# Allegro board C000PD020-3399PRO-DMEB-A-A01.brd (continued)
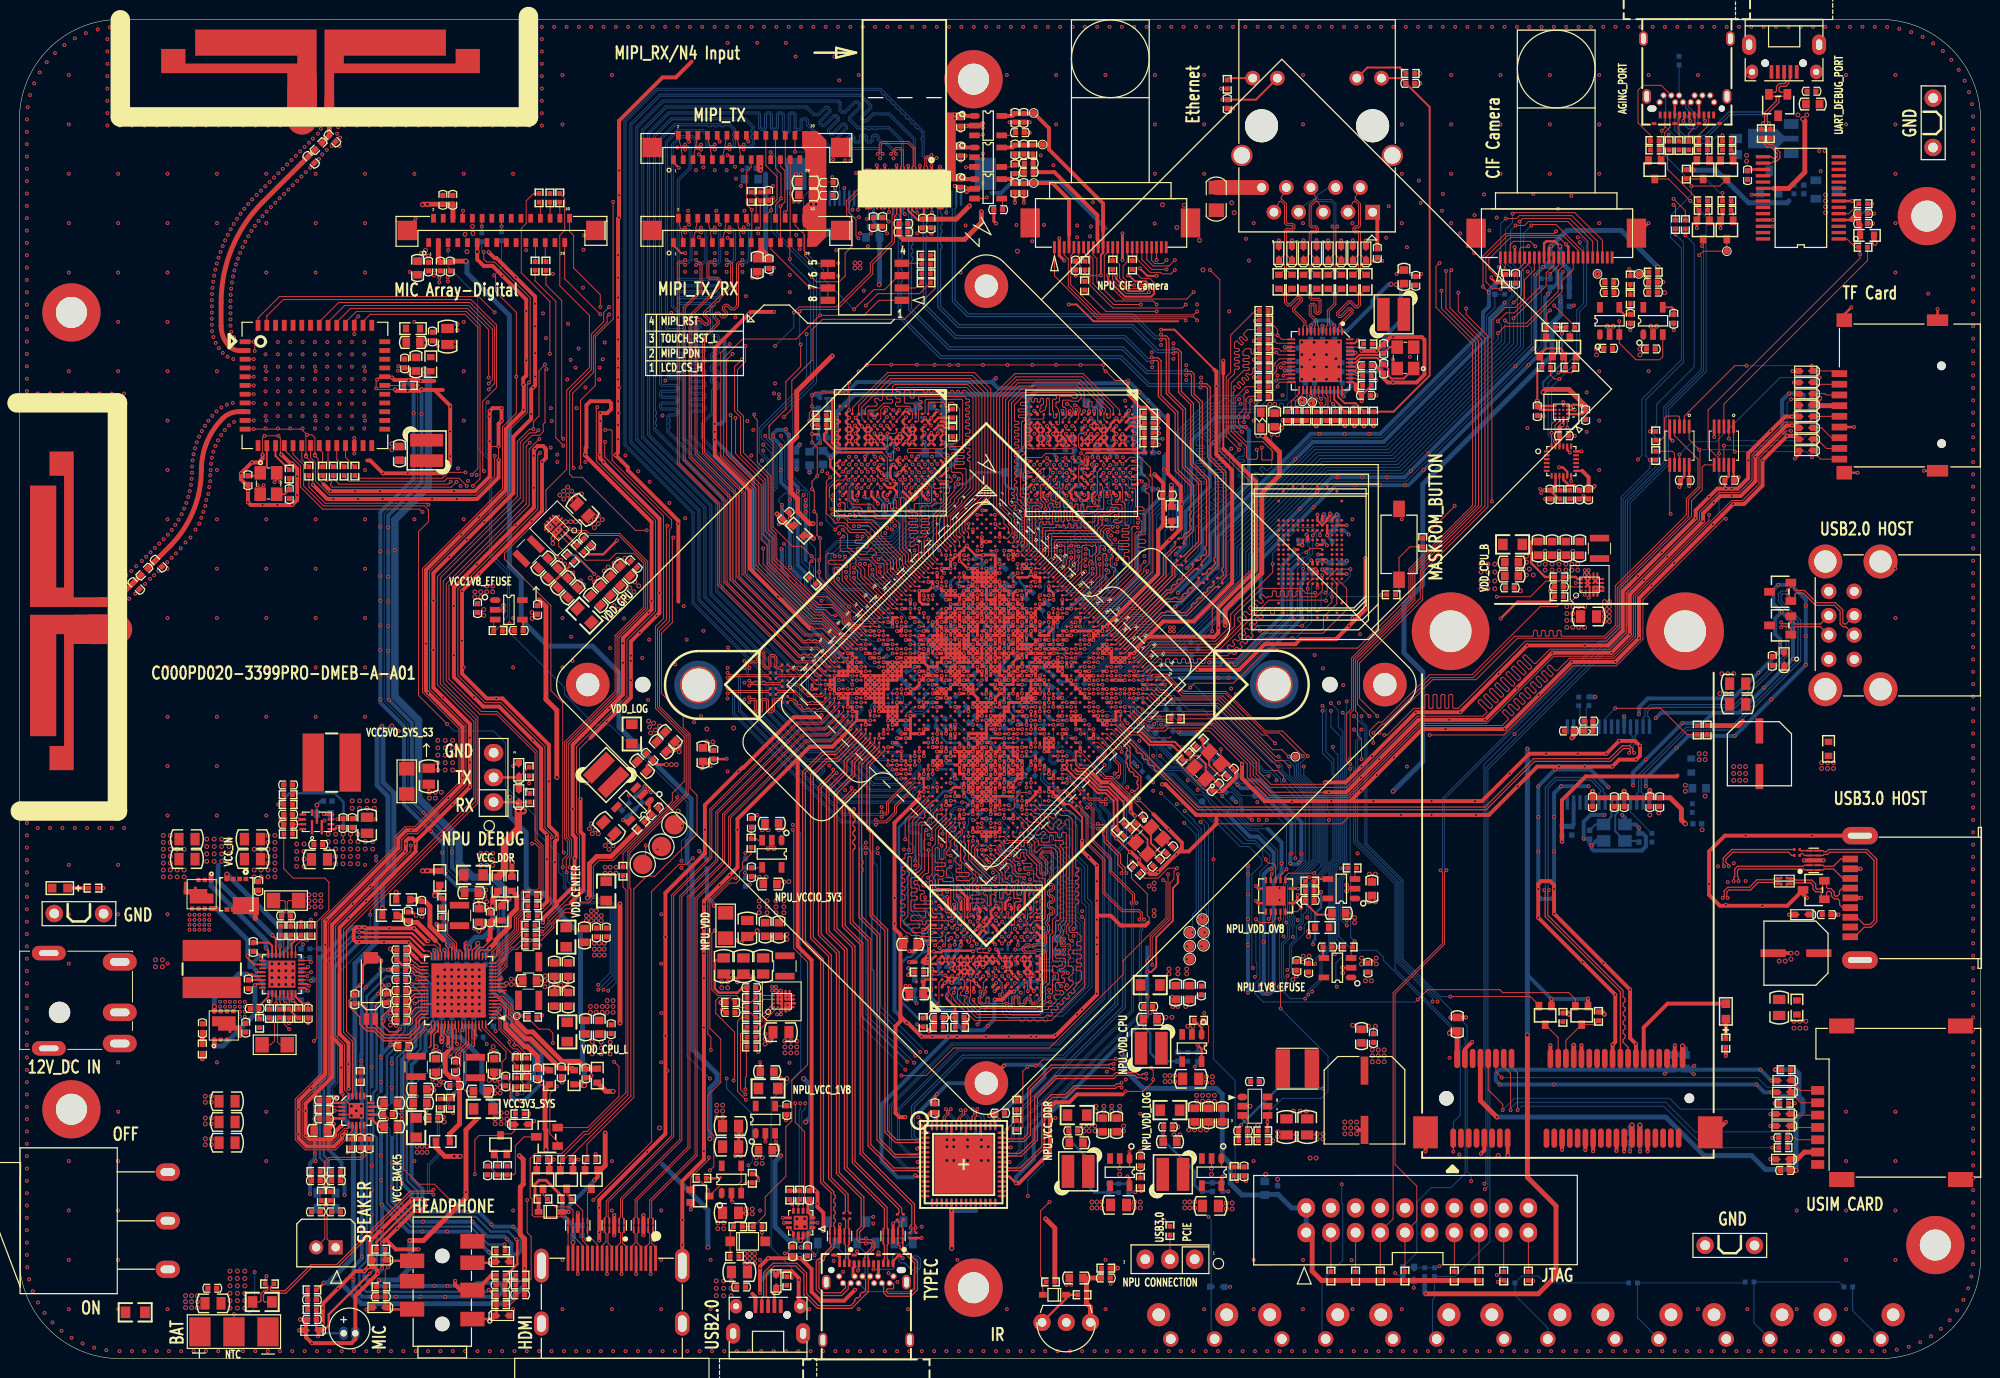
[diagram p0: board, top side]
## Routing (per net, layer and track width the routed paths; a pad name or vN(x,y) marks a point on that pad's centre or on a via; arc(x,y) is an arc through that point) (continued)
  BOTTOM w0.102: v1(70.14,115.88) 70.29,116.03 70.41,116.03 70.54,115.9 70.54,113.04 70.33,112.84 69.81,112.84 69.62,113.03 v1(69.62,113.04)
MIPI_TX1/RX1_D2P: length 57.6
  TOP w0.102: v1(69.62,112.53) 69.72,112.63 69.93,112.63 70.03,112.53 70.03,109.92 68.3,108.2 68.3,92.41 72.5,88.21 72.5,79.88 80.2,72.18 81.94,72.18 83.38,70.73 83.86,70.73 ; J5101.6 69.59,116.29 69.67,116.17 69.81,116.14 69.9,116.14 69.99,116.23 70.14,116.38 v1(70.14,116.38)
  BOTTOM w0.102: v1(70.14,116.38) 70.29,116.23 70.49,116.23 70.74,115.99 70.74,112.96 70.42,112.63 69.72,112.63 v1(69.62,112.53)
MIPI_TX1/RX1_D3N: length 56.3
  TOP w0.102: v1(68.5,112.54) 68.31,112.74 68,112.74 67.89,112.63 67.89,92.19 72.06,88.02 72.06,79.69 79.96,71.79 81.69,71.79 82.75,70.73 82.95,70.73 ; v1(68.5,116.39) 68.35,116.24 68.27,116.24 68.13,116.21 68.01,116.29 J5101.2
  BOTTOM w0.102: v1(68.5,116.39) 68.65,116.24 68.89,116.24 69.22,115.92 69.22,113.06 68.87,112.72 68.67,112.72 68.5,112.55 v1(68.5,112.54)
MIPI_TX1/RX1_D3P: length 56.8
  TOP w0.102: v1(68.5,113.04) 68.49,113.04 68.39,112.94 67.91,112.94 67.69,112.72 67.69,92.1 71.85,87.94 71.85,79.61 79.88,71.59 81.61,71.59 82.93,70.27 U1000.AU2 ; J5101.3 68.09,115.89 68.17,116.01 68.29,116.03 68.36,116.03 v1(68.5,115.89)
  BOTTOM w0.102: v1(68.5,113.04) 68.63,112.92 68.79,112.92 69.01,113.14 69.01,115.83 68.81,116.03 68.65,116.03 v1(68.5,115.89)
MPU_AD0: length 2.5
  TOP w0.102: U9000.9 158.47,89.42 R9005.2 R9004.1
N4_PDN/PWREN: length 63
  TOP w0.102: U1000.AJ3 v1(87.1,73.49) ; J4600.14 88.66,121.41 88.32,121.07 87.05,121.07 85.12,119.14 85.12,117.71 85.73,117.1 85.73,114.52 84.96,113.75 84.96,111.42 84.35,110.81 82.02,110.81 v1(81.51,111.31)
  BOTTOM w0.102: v1(87.1,73.49) 86.26,74.33 84.96,74.33 81.71,77.58 81.41,77.58 77.95,81.04 77.95,84.39 77.44,84.9 77.44,89.06 77.95,89.57 77.95,93.84 77.14,94.65 77.14,95.97 81.71,100.54 81.71,111.11 v1(81.51,111.31)
N4_RST_1V8: length 154.7
  TOP w0.102: v1(86.33,115.28) 86.08,115.53 86.08,117.21 85.37,117.92 85.37,118.98 87.25,120.86 88.42,120.86 88.7,121.14 89.31,121.14 89.46,121.3 J4600.12 ; U1000.J37 v1(112.82,67.05) ; v1(148.06,109.69) 148.06,107.76 150.8,105.01 150.8,87.74 144.15,81.09 144.15,78.24 137.69,71.79 137.69,67.32 v1(138.91,66.1)
  S1 w0.089: 114.27,66.25 114.12,66.41 113.93,66.41 113.28,67.05 v1(112.82,67.05)
  S1 w0.102: 114.27,66.25 117.5,63.03 122.62,63.03 124.98,65.39 136.92,65.39 137.02,65.49 138.3,65.49 v1(138.91,66.1) ; v1(86.33,115.28) 103.15,115.28 107.37,111.06 124.94,111.06 126.42,109.59 143.38,109.59 144.15,110.35 147.4,110.35 v1(148.06,109.69)
NPU_CIF_CLKI: length 1.4
  TOP w0.102: R4800.2 114.53,114.34 J4800.17
NPU_CIF_CLKIN: length 76.8
  TOP w0.102: v1(117.02,110.45) 116.31,111.16 115.45,111.16 R4800.1
  TOP w0.203: U1000.W29 v1(104.09,66.59)
  POWER2 w0.089: 112.65,63.41 110.21,63.41 109.86,63.76 109.86,64.58 109.52,64.91 109.4,64.91 109.09,65.22 108.5,65.22 108.23,64.95 108.23,64.68 107.47,63.92 107.21,63.92 105.74,65.39 105.74,65.76 105.23,66.27 104.87,66.27 104.55,66.59 v1(104.09,66.59)
  POWER2 w0.102: 112.65,63.41 114.73,63.41 114.94,63.21 119.46,63.21 126.92,70.67 126.92,77.43 126.82,77.54 124.18,80.18 124.18,90.1 121.44,92.84 121.44,97.24 117.88,100.8 117.88,109.59 v1(117.02,110.45)
NPU_CIF_CLKO: length 1.4
  TOP w0.102: R4801.2 112.5,114.36 J4800.13
NPU_CIF_CLKOUT: length 73.2
  TOP w0.102: R4801.1 112.5,111.01 113.92,109.59 116.05,109.59 v1(116.21,109.74)
  TOP w0.203: U1000.U28 v1(105.01,67.51)
  POWER2 w0.089: v1(105.01,67.51) 105.47,67.51 106.37,66.61 108.21,66.61 108.57,66.25 108.8,66.25 109.11,66.56 109.35,66.56 109.53,66.37 110.01,66.37 111.85,64.53 113.77,64.53
  POWER2 w0.102: v1(116.21,109.74) 116.31,109.64 116.31,107.5 115.95,107.15 115.95,101.01 120.22,96.74 120.22,92.34 122.96,89.6 122.96,79.67 125.7,76.93 125.7,71.84 119.91,66.05 119.15,66.05 117.63,64.53 113.77,64.53
NPU_CIF_D2: length 86.1
  TOP w0.102: v1(118.03,112.08) 116.51,112.08 115.5,113.08 J4800.19
  TOP w0.203: U1000.W30 v1(104.09,65.68)
  POWER2 w0.089: v1(104.09,65.68) 104.55,65.68 105.14,65.08 105.33,65.08 107,63.41 107.21,63.41 107.21,63.41 107.61,63.41 108.93,62.09 109.3,62.09 109.96,62.75 111.99,62.75
  POWER2 w0.102: v1(118.03,112.08) 118.03,111.62 119.15,110.5 119.15,100.54 122.15,97.54 122.15,93.16 124.89,90.42 124.89,80.47 128.3,77.07 128.3,73.81 131.55,70.56 131.55,68.61 129.8,66.86 124.62,66.86 120.36,62.6 114.66,62.6 113.95,61.89 113.12,61.89 112.26,62.75 111.99,62.75
NPU_CIF_D3: length 84.5
  TOP w0.102: v1(118.03,113.04) 117.68,112.69 116.81,112.69 116.5,113 J4800.21
  TOP w0.203: U1000.V30 v1(105.01,65.68)
  POWER2 w0.089: v1(105.01,65.68) 105.01,65.65 107.07,63.58 107.94,63.58 108.12,63.75 108.24,63.75 108.29,63.7 108.36,63.7 108.55,63.51 108.55,63.45 108.75,63.24 108.82,63.24 109.06,63 112.24,63
  POWER2 w0.102: 112.24,63 112.29,63 113.21,62.09 113.87,62.09 114.58,62.8 120.27,62.8 124.54,67.07 129.72,67.07 131.34,68.69 131.34,70.47 128.09,73.72 128.09,76.99 124.69,80.39 124.69,90.33 121.95,93.08 121.95,97.45 118.39,101.01 118.39,110.7 117.68,111.42 117.68,112.69 v1(118.03,113.04)
NPU_CIF_D4: length 69.6
  TOP w0.102: v1(117,113.04) J4800.22
  TOP w0.203: U1000.P29 v1(106.39,67.97)
  POWER2 w0.089: 115.45,66.21 113.73,66.21 113.51,66 113.17,66 111.26,67.91 110.46,67.91 110.14,67.59 109.79,67.59 109.04,68.34 106.75,68.34 v1(106.39,67.97)
  POWER2 w0.102: v1(117,113.04) 117,112.67 115.04,110.7 115.04,100.58 119.3,96.31 119.3,91.96 122.05,89.22 122.05,79.29 124.79,76.55 124.79,72.57 119.13,66.91 117.48,66.91 116.97,66.41 116.1,66.41 115.91,66.21 115.45,66.21
NPU_CIF_D5: length 87.9
  TOP w0.102: v1(118.9,113.04) 118.29,112.43 116.66,112.43 116,113.09 J4800.20
  TOP w0.203: U1000.Y30 v1(104.09,64.76)
  POWER2 w0.089: 111.79,62.55 110,62.55 109.37,61.92 108.86,61.92 107.53,63.24 106.93,63.24 106.58,62.9 106.4,62.9 104.55,64.76 v1(104.09,64.76)
  POWER2 w0.102: 111.79,62.55 111.9,62.55 111.9,62.55 112.18,62.55 113.04,61.68 114.04,61.68 114.75,62.39 120.44,62.39 124.71,66.66 129.89,66.66 131.75,68.52 131.75,70.64 128.5,73.89 128.5,77.15 125.1,80.56 125.1,90.5 122.35,93.24 122.35,97.62 119.41,100.57 119.41,110.81 118.54,111.67 118.54,112.69 v1(118.9,113.04)
NPU_CIF_D6: length 89.2
  TOP w0.102: J4800.18 115,113.13 116.36,111.77 117.42,111.77 117.58,111.62 118.49,111.62 v1(118.9,112.02)
  TOP w0.203: U1000.AB29 v1(103.17,64.76)
  POWER2 w0.089: v1(103.17,64.76) 103.63,64.76 103.76,64.62 104.22,64.17 104.89,64.17 106.33,62.73 106.65,62.73 107,63.07 107.45,63.07 108.77,61.75 109.44,61.75 110.03,62.34 111.58,62.34
  POWER2 w0.102: v1(118.9,112.02) 119.66,111.26 119.66,100.6 122.56,97.71 122.56,93.33 125.3,90.59 125.3,80.64 128.7,77.24 128.7,73.98 131.95,70.73 131.95,68.44 129.97,66.46 124.79,66.46 119.81,61.48 112.96,61.48 112.09,62.34 111.58,62.34
NPU_CIF_D7: length 69.6
  TOP w0.102: v1(114.68,110.45) 114.38,110.45 113.56,111.26 113.56,112.43 114,112.87 J4800.16
  TOP w0.203: U1000.P28 v1(105.93,68.43)
  POWER2 w0.089: v1(105.93,68.43) 106.06,68.57 109.28,68.57 109.47,68.76 109.47,68.76 109.5,68.79 109.7,68.79 110.41,68.08 111.33,68.08 113.21,66.2 113.41,66.2 113.63,66.42 115.66,66.42
  POWER2 w0.102: 115.66,66.42 115.76,66.42 116,66.66 116.71,66.66 117.17,67.12 119.05,67.12 124.59,72.65 124.59,76.46 121.84,79.21 121.84,89.13 119.1,91.87 119.1,96.23 114.83,100.49 114.83,110.3 v1(114.68,110.45)
NPU_CIF_D8: length 73.3
  TOP w0.102: J4800.14 113,112.79 113.2,112.59 113.2,111.16 114.27,110.09 115.09,110.09 v1(115.44,110.45)
  TOP w0.203: U1000.R29 v1(105.93,67.51)
  POWER2 w0.089: v1(105.93,67.51) 106.02,67.42 107.4,67.42 107.65,67.17 107.88,67.17 107.9,67.19 108.09,67.38 108.36,67.38 108.57,67.17 109.35,67.17 109.8,66.71 110.18,66.71 110.21,66.74 110.21,66.74 110.43,66.97 110.61,66.97 110.91,66.67 111.06,66.67 111.31,66.92 111.78,66.92 113.1,65.59 113.72,65.59 113.87,65.75 114.99,65.75
  POWER2 w0.102: 114.99,65.75 115.04,65.75 115.85,64.93 116.92,64.93 117.12,65.14 117.12,65.54 118.09,66.51 119.3,66.51 125.2,72.4 125.2,76.72 122.45,79.46 122.45,89.38 119.71,92.13 119.71,96.48 115.44,100.75 115.44,107.57 115.75,107.87 115.75,108.67 115.44,108.98 v1(115.44,110.45)
NPU_CIF_D9: length 97.2
  TOP w0.102: J4800.12 112,113.87 111.63,113.5 111.63,110.96 113.56,109.03 120.12,109.03 v1(120.83,109.74)
  TOP w0.203: U1000.AD29 v1(102.25,63.84)
  POWER2 w0.089: 108.79,59.55 108.43,59.55 107.72,60.26 106.81,60.26 104.67,62.39 104.15,62.39 103.24,63.31 102.69,63.31 102.25,63.75 v1(102.25,63.84)
  POWER2 w0.102: 108.79,59.55 111.33,59.55 112.4,60.62 113.56,60.62 114.02,60.16 119.64,60.16 125.13,65.64 130.31,65.64 132.77,68.1 132.77,71.06 129.51,74.31 129.51,77.58 126.11,80.98 126.11,90.92 123.93,93.11 123.93,97.78 122.35,99.36 122.35,101.58 120.83,103.1 v1(120.83,109.74)
NPU_CIF_DVDD: length 13.7
  TOP w0.305: J4800.10 111,115.09 110.92,115.17
  TOP w0.406: 110.92,115.17 110.92,117.66 106.5,122.08 C4810.1 C4811.1 104.31,123.93 R4804.2
NPU_CIF_HREF: length 79
  TOP w0.102: J4800.9 110.46,114.32 110.46,113.6 110.87,113.19 110.87,110.72 112.77,108.82 116.66,108.82 v1(117.02,108.47)
  TOP w0.203: U1000.U29 v1(105.01,66.6)
  POWER2 w0.089: 113.16,63.92 110.9,63.92 109.74,65.08 109.47,65.08 109.16,65.39 108.43,65.39 108.18,65.14 107.69,65.14 107.38,64.83 107.23,64.83 106.01,66.05 105.69,66.05 105.14,66.6 v1(105.01,66.6)
  POWER2 w0.102: 113.16,63.92 117.88,63.92 119.41,65.44 120.62,65.44 125.6,70.42 125.6,70.44 126.42,71.25 126.42,77.22 123.67,79.97 123.67,89.89 120.93,92.63 120.93,97.03 117.16,100.8 117.16,104.06 116.71,104.51 116.71,106.35 117.37,107.01 117.37,108.12 v1(117.02,108.47)
NPU_CIF_PDN0: length 74.3
  TOP w0.102: J4800.8 110,113.66 110.46,113.19 110.46,110.6 112.6,108.47 v1(115.39,108.47)
  TOP w0.203: U1000.R28 v1(105.47,67.97)
  POWER2 w0.089: v1(105.47,67.97) 105.93,67.97 106.28,67.63 107.42,67.63 107.72,67.93 109.09,67.93 109.6,67.42 110.16,67.42 110.39,67.19 110.66,67.19 110.89,67.42 111.51,67.42 113.12,65.81 113.65,65.81 113.79,65.95 115.19,65.95
  POWER2 w0.102: v1(115.39,108.47) 115.39,108.02 115.24,107.86 115.24,100.66 119.51,96.39 119.51,92.04 122.25,89.3 122.25,79.38 124.99,76.63 124.99,72.49 119.22,66.71 117.68,66.71 116.51,65.54 115.95,65.54 115.54,65.95 115.19,65.95
NPU_CIF_PDN1: length 97.4
  TOP w0.102: v1(120.02,106.84) 119.86,107 110.92,107 106.5,111.42 J4800.1
  TOP w0.203: U1000.AC28 v1(102.25,64.76)
  POWER2 w0.089: 111.38,62.14 110.21,62.14 109.65,61.58 108.69,61.58 107.36,62.9 107.07,62.9 106.72,62.56 106.26,62.56 104.91,63.92 103.55,63.92 102.71,64.76 v1(102.25,64.76)
  POWER2 w0.102: 111.38,62.14 112.01,62.14 112.87,61.28 119.9,61.28 124.88,66.25 130.06,66.25 132.16,68.35 132.16,70.81 128.91,74.06 128.91,77.32 125.5,80.73 125.5,90.67 123.32,92.85 123.32,97.23 120.57,99.98 120.57,102.47 120.02,103.03 v1(120.02,106.84)
NPU_CIF_PWREN_H: length 123.8
  TOP w0.102: v1(99.14,125.94) 99.07,125.87 U4800.3 ; U4801.3 99.42,119.37 v1(99.54,119.49) ; U4817.3 98.24,122.59 v1(97.4,122.59)
  TOP w0.203: U1000.AD28 v1(101.79,64.3)
  POWER2 w0.089: 108.99,59.75 108.64,59.75 107.63,60.76 107.63,60.76 107.44,60.95 107.44,60.95 107.42,60.97 106.49,60.97 103.95,63.51 103.03,63.51 102.25,64.3 v1(101.79,64.3)
  POWER2 w0.102: 108.99,59.75 111.23,59.75 112.29,60.82 113.72,60.82 114.17,60.36 119.56,60.36 125.05,65.85 130.22,65.85 132.56,68.19 132.56,70.98 129.31,74.23 129.31,77.49 125.91,80.89 125.91,90.84 123.72,93.02 123.72,97.7 122.15,99.27 122.15,101.49 120.62,103.02 120.62,108.88 120.47,109.03 120.47,111.97 118.9,113.55 101.98,113.55 99.54,115.99 v1(99.54,119.49) 99.54,122.54 ; 99.54,122.54 99.54,125.54 v1(99.14,125.94) ; 99.54,122.54 99.49,122.59 v1(97.4,122.59)
NPU_CIF_RST: length 75.9
  TOP w0.102: v1(117.02,107.76) 111.79,107.76 R4811.2
  TOP w0.203: U1000.V28 v1(104.55,67.05)
  POWER2 w0.089: 113.36,64.12 111.68,64.12 109.8,66 109.47,66 109.06,65.59 108.33,65.59 108.08,65.34 107.64,65.34 106.73,66.25 105.81,66.25 105.01,67.05 v1(104.55,67.05)
  POWER2 w0.102: 113.36,64.12 117.8,64.12 119.32,65.64 120.52,65.64 126.21,71.33 126.21,77.14 123.47,79.88 123.47,89.81 120.73,92.55 120.73,96.95 116.92,100.76 116.92,104 116.51,104.4 116.51,106.64 117.07,107.2 117.07,107.71 v1(117.02,107.76)
NPU_CIF_RST_L: length 5
  TOP w0.102: C4802.1 109,113.25 J4800.6 ; C4802.1 109.14,112.47 109.14,111.31 R4811.1 ; C4802.1 R4802.2
NPU_CIF_VSYNC: length 95.6
  TOP w0.102: v1(120.02,108.47) 119.66,108.11 112.5,108.11 110.16,110.45 110.16,113.19 109.5,113.85 J4800.7
  TOP w0.203: U1000.AC29 v1(102.71,64.3)
  POWER2 w0.089: v1(102.71,64.3) 103.29,63.71 104.87,63.71 106.19,62.39 106.91,62.39 108.13,61.17 110.41,61.17 110.41,61.17
  POWER2 w0.102: v1(120.02,108.47) 120.42,108.06 120.42,102.93 121.95,101.41 121.95,99.19 123.52,97.61 123.52,92.94 125.7,90.75 125.7,80.81 129.11,77.41 129.11,74.15 132.36,70.89 132.36,68.27 130.14,66.05 124.96,66.05 119.47,60.56 114.27,60.56 113.82,61.02 112.19,61.02 111.89,60.72 110.87,60.72 110.41,61.17
NPU_DDR_D0: length 11.1
  TOP w0.102: U1000.AY38 98.57,51.74 99.65,50.66 100.45,50.66 101.12,50 101.12,49.19 101.27,49.03 101.63,49.03 102.12,48.54 v1(102.29,48.54) ; U3100.P9 102.45,44.11 v1(102.45,44.23)
  BOTTOM w0.102: v1(102.29,48.54) 102.42,48.4 102.42,48.2 102.3,48.08 102.3,46.32 102.4,46.22 102.4,44.28 v1(102.45,44.23)
NPU_DDR_D1: length 11.9
  TOP w0.102: v1(101.78,43.43) 102.09,43.75 U3100.N9 ; v1(99.95,52.35) 99.5,52.81 99.03,52.81 U1000.AW38
  BOTTOM w0.102: v1(99.95,52.35) 99.95,51.48 100.34,51.1 100.97,50.47 100.97,50.02 101.93,49.06 101.93,47.91 101.53,47.51 101.53,46.81 101.53,46.52 102.08,45.97 102.08,43.74 v1(101.78,43.43)
NPU_DDR_D2: length 16.4
  TOP w0.102: U3100.N10 102.3,44.61 102.4,44.72 102.4,45.63 102.3,45.73 102.3,45.94 102.4,46.04 102.4,46.86 102.54,47 102.98,47 103.09,47.1 103.09,47.25 102.98,47.35 102.44,47.35 102.34,47.45 102.34,48 102.2,48.14 102.05,48.14 101.95,48.04 101.95,47.81 101.87,47.73 101.67,47.73 101.56,47.83 101.56,47.96 101.5,48.02 101.32,48.02 101.22,47.92 101.22,47.41 101.12,47.31 100.96,47.31 100.85,47.41 100.85,48.16 101.02,48.32 101.48,48.32 101.59,48.43 101.59,48.57 101.43,48.73 100.91,48.73 100.81,48.83 100.81,49.91 100.34,50.38 99.48,50.38 98.26,51.6 98.26,52.5 98.68,52.92 98.68,53.16 U1000.AW37
NPU_DDR_D3: length 11.3
  TOP w0.102: U3100.N11 102.01,45.34 101.87,45.34 101.75,45.46 101.75,45.78 v1(101.69,45.83) ; v1(100.43,49.58) 100.43,49.51 100.51,49.44 100.51,49.3 100.43,49.21 100.23,49.21 97.94,51.5 97.94,52.64 98.11,52.81
  BOTTOM w0.102: v1(100.43,49.58) 100.43,49.64 100.6,49.81 100.75,49.81 100.91,49.64 100.91,49.44 101.01,49.34 101.22,49.34 101.22,49.34 101.63,48.94 101.63,48.02 101.31,47.7 101.31,46.22 v1(101.69,45.83)
NPU_DDR_D4: length 13
  TOP w0.102: v1(101.07,43.41) 101.14,43.41 101.44,43.11 U3100.M8 ; 98.11,53.73 v1(98.11,53.27)
  BOTTOM w0.102: v1(98.11,53.27) 97.63,52.78 97.63,50.49 97.91,50.2 98.23,50.2 98.38,50.05 98.38,49.34 99.02,48.71 99.02,46.82 98.83,46.63 98.83,46.35 99.29,45.89 99.29,45.36 99.7,44.96 99.7,44.86 100.35,44.2 100.56,44.2 100.66,44.1 100.66,43.89 101.07,43.48 v1(101.07,43.41)
NPU_DDR_D5: length 12.1
  TOP w0.102: v1(100.42,48.64) 97.65,51.41 97.65,53.26 U1000.AY36 ; U3100.M9 101.44,43.82 v1(101.12,44.15)
  BOTTOM w0.102: v1(100.42,48.64) 100.89,48.18 100.89,46.36 100.77,46.24 100.77,46.05 100.89,45.94 100.89,45.71 100.77,45.59 100.77,45.43 100.87,45.33 101.26,45.33 101.52,45.06 101.52,44.15 101.45,44.07 101.19,44.07 v1(101.12,44.15)
NPU_DDR_D6: length 13
  TOP w0.102: U3100.M10 101.44,44.63 v1(101.12,44.96) ; U1000.AW35 97.65,53.74 v1(97.65,53.74)
  BOTTOM w0.102: v1(97.65,53.74) 98.37,53.74 98.52,53.6 98.52,53.11 98.41,53 98.35,53 97.97,52.62 97.97,50.97 98.74,50.2 98.74,49.49 99.38,48.86 99.38,47.03 99.57,46.83 99.57,45.52 100,45.08 100,44.96 100.41,44.55 100.71,44.55 v1(101.12,44.96)
NPU_DDR_D7: length 16.6
  TOP w0.102: U1000.AY35 97.19,53.16 97.36,53 97.36,52.59 97.16,52.39 97.16,52.22 97.36,52.02 97.36,51.77 97.16,51.57 97.16,51.37 98.78,49.74 98.88,49.74 98.98,49.64 98.98,49.44 98.88,49.34 98.88,49.24 98.98,49.13 99.51,49.13 99.59,49.05 99.59,48.87 99.49,48.77 99.09,48.77 98.98,48.67 98.98,48.52 99.09,48.42 99.93,48.42 100.03,48.32 100.03,48.18 99.95,48.1 99.29,48.1 99.19,48 99.19,47.81 99.29,47.71 99.49,47.71 99.59,47.61 99.59,46.7 99.7,46.59 99.84,46.59 99.94,46.7 99.94,47.65 100.06,47.77 100.33,47.77 100.48,47.62 100.48,47.48 100.29,47.29 100.29,47.11 100.41,46.99 101.02,46.99 101.12,46.89 101.12,46.02 101.02,45.92 101.02,45.67 101.27,45.41 U3100.M11
NPU_DDR_D8: length 15.8
  TOP w0.102: v1(102.64,52.61) 102.86,52.39 103.56,52.39 103.66,52.28 103.66,51.81 104.67,50.79 104.67,49.64 104.88,49.44 105.39,49.44 105.51,49.32 105.51,45.31 105.26,45.06 104.49,45.06 U3100.T10 ; v1(101.32,55.62) 101.33,55.63 U1000.AN37
  BOTTOM w0.102: v1(101.32,55.62) 101.64,55.62 102.64,54.62 102.64,54.23 102.54,54.12 102.26,54.12 102.15,54.02 102.15,53.82 102.26,53.72 102.54,53.72 102.64,53.62 v1(102.64,52.61)
NPU_DDR_D9: length 17
  TOP w0.102: U1000.AM36 101.79,56.94 v1(101.79,56.94) ; U3100.T8 104.06,43.01 v1(104.46,43.41)
  BOTTOM w0.102: v1(104.46,43.41) 104.96,43.91 104.96,44.37 105.99,45.41 105.99,50.02 103.35,52.66 103.35,55.39 v1(101.79,56.94)
NPU_DDR_D10: length 14.1
  TOP w0.102: U3100.T9 104.27,43.81 104.37,43.92 v1(104.37,44.25) ; v1(102.83,50.85) 102.83,51.06 102.73,51.17 102.44,51.17 102.34,51.27 102.34,51.88 102.26,51.96 102.11,51.96 102.03,51.88 102.03,51.78 101.93,51.67 101.73,51.67 101.02,52.39 101.02,52.66 100.87,52.81
  BOTTOM w0.102: v1(102.83,50.85) 102.83,51.15 102.95,51.27 103.25,51.27 103.35,51.17 103.35,50.56 103.45,50.46 104.68,50.46 105.28,49.86 105.28,46.18 104.67,45.57 104.67,44.96 104.47,44.75 104.47,44.35 v1(104.37,44.25)
NPU_DDR_D11: length 19.4
  TOP w0.102: U1000.AU39 100.45,53.3 100.82,53.3 101.32,52.8 101.32,52.49 101.63,52.18 101.83,52.18 101.99,52.34 102.28,52.34 102.44,52.18 102.54,52.18 102.64,52.08 102.64,51.57 102.74,51.47 102.9,51.47 103.01,51.57 103.01,51.98 103.11,52.08 103.25,52.08 103.35,51.98 103.35,51.67 103.56,51.47 103.56,51.37 103.45,51.27 103.25,51.27 103.17,51.19 103.17,51.04 103.25,50.96 104.06,50.96 104.18,50.85 104.18,50.67 104.11,50.6 103.45,50.6 103.35,50.5 103.35,50.35 103.45,50.25 104.27,50.25 104.37,50.15 104.37,49.79 104.37,49.24 104.47,49.13 105.06,49.13 105.16,49.03 105.16,48.83 105.08,48.74 104.63,48.74 104.51,48.63 104.51,48.51 104.61,48.41 105.16,48.41 105.27,48.31 105.27,48.17 105.16,48.07 105.02,48.07 104.98,48.11 104.57,48.11 104.37,47.9 104.37,47.65 104.6,47.42 104.78,47.42 104.88,47.52 104.88,47.6 104.98,47.7 105.12,47.7 105.22,47.6 105.22,47.35 105.14,47.27 105.11,47.27 105,47.17 105,46.99 105.19,46.8 105.19,46.63 105,46.44 105,46.29 105.18,46.11 105.18,45.88 105.07,45.77 104.78,45.77 104.67,45.87 104.52,45.87 104.32,45.67 104.32,45.52 104.22,45.42 U3100.T11
NPU_DDR_D12: length 14.4
  TOP w0.102: v1(103.11,43.4) 103.39,43.11 U3100.R8 ; v1(103.84,49.88) 102.78,49.88 102.45,50.22 102.45,50.79 101.9,51.34 101.66,51.34 100.73,52.27 100.73,52.5 100.43,52.81 U1000.AV39
  BOTTOM w0.102: v1(103.11,43.4) 103.49,43.78 103.8,43.78 104.01,43.99 104.01,44.4 104.17,44.55 104.17,44.86 104.37,45.06 104.37,45.67 104.98,46.28 104.98,47.4 104.98,49.44 104.54,49.88 v1(103.84,49.88)
NPU_DDR_D13: length 13.4
  TOP w0.102: U1000.AV40 100.41,52.18 101.63,50.96 101.8,50.96 102.13,50.63 102.13,50.01 102.58,49.56 103.27,49.56 v1(103.38,49.46) ; U3100.R9 103.55,43.81 103.66,43.92 v1(103.66,44.15)
  BOTTOM w0.102: v1(103.66,44.15) 103.66,44.45 103.82,44.61 103.82,44.92 104.06,45.16 104.06,45.88 104.27,46.09 104.27,46.39 104.37,46.49 104.57,46.49 104.67,46.59 104.67,46.8 104.57,46.9 104.47,46.9 104.37,47 104.37,47.2 104.47,47.31 104.57,47.31 104.67,47.41 104.67,47.61 104.57,47.71 104.37,47.71 104.27,47.81 104.27,48.02 104.37,48.12 104.57,48.12 104.67,48.22 104.67,49.01 104.57,49.11 104.35,49.11 104.06,48.83 103.76,48.83 103.66,48.93 103.66,49.03 103.38,49.31 v1(103.38,49.46)
NPU_DDR_D14: length 12.9
  TOP w0.102: v1(100.69,51.28) 100.69,51.28 100.69,51.29 100.09,51.89 U1000.AW40 ; U3100.R11 103.39,45.66 103.29,45.76 v1(103.05,45.76)
  BOTTOM w0.102: v1(100.69,51.28) 100.49,51.28 100.3,51.47 100.3,51.88 100.41,51.98 100.81,51.98 101.02,51.78 101.44,51.78 101.54,51.67 101.54,50.98 101.89,50.63 101.89,50.5 101.79,50.4 101.46,50.4 101.36,50.3 101.36,50.15 101.46,50.05 101.82,50.05 101.93,49.95 101.93,49.54 102.9,48.56 102.9,48.27 102.95,48.22 102.95,47.92 102.84,47.81 102.74,47.81 102.64,47.71 102.64,47.51 102.74,47.41 102.84,47.41 102.95,47.31 102.95,47.1 102.84,47 102.64,47 102.5,46.86 102.5,46.46 102.7,46.26 102.7,45.53 102.78,45.45 102.95,45.45 103.05,45.55 v1(103.05,45.76)
NPU_DDR_D15: length 17.7
  TOP w0.102: U1000.AY39 99.03,51.83 99.18,51.68 99.26,51.68 99.41,51.84 99.55,51.84 99.92,51.46 100.06,51.46 100.2,51.31 100.2,51.02 100.3,50.92 100.58,50.92 101.08,50.42 101.24,50.42 101.49,50.67 101.67,50.67 101.79,50.56 101.79,50.41 101.42,50.05 101.42,49.44 101.52,49.34 101.65,49.34 101.73,49.42 101.73,49.6 101.85,49.73 102.05,49.73 102.13,49.64 102.13,49.34 102.06,49.27 102.06,49.12 102.17,49.02 102.34,49.02 102.55,49.24 102.7,49.24 102.8,49.13 102.8,48.99 102.72,48.91 102.72,48.22 102.64,48.14 102.64,47.78 102.74,47.67 103.02,47.67 103.12,47.78 103.12,48.19 103.25,48.32 103.25,48.5 103.12,48.63 103.12,48.94 103.22,49.04 103.35,49.04 103.45,48.94 103.45,48.83 103.53,48.75 103.68,48.75 103.85,48.92 104.07,48.92 104.19,48.8 104.19,48.13 103.86,47.8 103.86,47.5 103.96,47.4 104.27,47.4 104.37,47.29 104.37,46.08 104.11,45.82 103.96,45.82 103.75,45.6 103.73,45.6 103.73,45.21 103.62,45.1 103.62,44.96 103.72,44.86 103.72,44.72 103.61,44.62 U3100.R10
NPU_DDR_D16: length 19.9
  TOP w0.102: U3100.F10 97.45,44.61 97.33,44.62 97.23,44.72 97.23,47.22 96.95,47.5 96.55,47.5 96.44,47.6 96.44,48.68 96.55,48.78 97,48.78 97.46,48.32 97.67,48.32 97.77,48.42 97.77,48.69 98.24,49.16 98.24,49.36 98.14,49.46 97.99,49.46 97.72,49.19 96.51,49.19 96.4,49.29 96.4,49.49 96.51,49.59 97.63,49.59 97.73,49.7 97.73,49.92 97.63,50.03 96.51,50.03 96.4,50.13 96.4,50.33 96.5,50.43 96.85,50.43 96.92,50.5 96.92,50.68 96.82,50.79 96.65,50.79 96.24,51.2 96.24,51.47 96.34,51.57 96.4,51.57 96.5,51.67 96.5,51.87 96.4,51.97 96.3,51.97 96.2,52.08 96.2,52.28 96.3,52.38 96.4,52.38 96.5,52.48 96.5,52.69 96.4,52.79 96.3,52.79 96.2,52.89 96.2,53.21 97.05,54.06 97.05,54.33 96.74,54.64 96.74,55.1 U1000.AW33
NPU_DDR_D17: length 15.4
  TOP w0.102: U1000.AW34 v1(97.19,55.11) ; U3100.F11 97.54,45.78 97.87,46.1 97.87,46.79 97.97,46.89 99.15,46.89 99.27,47.02 99.27,47.17 99.15,47.29 97.97,47.29 97.87,47.4 97.87,47.6 97.97,47.7 98.78,47.7 98.85,47.77 98.85,47.96 98.74,48.07 98.19,48.07 98.09,48.17 98.09,48.61 98.59,49.1 98.59,49.47 98.03,50.03 96.84,51.22 96.84,53.12 v1(96.84,53.12)
  BOTTOM w0.102: v1(96.84,53.12) 96.84,53.12 96.87,53.15 96.87,54.3 97.19,54.63 v1(97.19,55.11)
NPU_DDR_D18: length 14.4
  TOP w0.102: v1(95.81,51.76) 95.86,51.81 95.5,51.81 95.42,51.89 95.42,52.16 95.78,52.52 95.78,53.23 U1000.AY34 ; v1(95.82,50.61) 95.69,50.61 95.39,50.3 95.39,49.59 95.49,49.49 96,49.49 96.1,49.39 96.1,49.19 96,49.09 95.07,49.09 94.97,49.19 94.97,49.3 94.92,49.35 94.68,49.35 94.57,49.25 94.57,48.78 94.68,48.68 96,48.68 96.14,48.54 96.14,47.27 96.55,46.86 96.55,46.08 96.89,45.73 U3100.E11
  BOTTOM w0.102: v1(95.81,51.76) 95.84,51.76 96.09,51.52 96.09,50.88 v1(95.82,50.61)
NPU_DDR_D19: length 14.6
  TOP w0.102: U1000.AY33 96.36,54.56 96.36,54.41 96.17,54.22 95.88,54.22 95.78,54.12 v1(95.78,53.78) ; U3100.F8 97.52,43 97.52,42.85 97.62,42.75 97.76,42.75 97.87,42.86 v1(97.87,43.4)
  BOTTOM w0.102: v1(97.87,43.4) 97.93,43.46 97.93,44.36 97.05,45.24 97.05,46.19 97.26,46.39 97.26,48.74 96.38,49.62 96.38,51.79 95.98,52.18 95.73,52.18 95.63,52.28 95.63,52.59 95.73,52.69 95.83,52.69 95.94,52.79 95.94,53 95.83,53.1 95.73,53.1 95.63,53.2 95.63,53.64 v1(95.78,53.78)
NPU_DDR_D20: length 14.3
  TOP w0.102: v1(97.16,43.43) U3100.F9 ; v1(94.99,54.01) 94.99,54.28 U1000.AY32
  BOTTOM w0.102: v1(97.16,43.43) 96.86,43.73 96.86,44.39 96.34,44.91 96.34,45.16 96.09,45.41 95.63,45.42 95.43,45.62 95.43,46.27 94.51,47.19 94.51,53.91 94.62,54.01 v1(94.99,54.01)
NPU_DDR_D21: length 20.5
  TOP w0.102: U1000.AW32 96.27,55.1 95.38,54.2 95.38,52.57 95.14,52.33 95.14,51.48 95.04,51.38 94.78,51.38 94.68,51.48 94.68,52.41 94.52,52.57 94.3,52.57 94.23,52.49 94.23,51.12 94.33,51.02 95.16,51.02 95.26,50.91 95.26,50.74 95.16,50.63 94.34,50.63 94.24,50.53 94.24,50.33 94.34,50.23 95.02,50.23 95.12,50.13 95.12,49.74 94.98,49.61 94.68,49.61 94.44,49.85 94.32,49.85 94.04,49.57 94.04,49.42 94.27,49.19 94.27,48.48 94.37,48.37 95.73,48.37 95.83,48.27 95.83,46.56 95.91,46.48 95.91,46 96.14,45.77 96.44,45.77 96.55,45.67 96.55,44.72 96.65,44.61 U3100.E10
NPU_DDR_D22: length 15.3
  TOP w0.102: v1(96.51,43.42) 96.51,43.5 96.24,43.76 U3100.D9 ; U1000.AY31 94.24,54.45 94.24,52.92 93.92,52.6 93.92,49.85 93.56,49.49 v1(93.49,49.49)
  BOTTOM w0.102: v1(96.51,43.42) 96.51,43.49 96.2,43.8 95.26,43.8 94.62,44.45 94.62,45.36 93.68,46.3 93.68,49.27 93.49,49.46 v1(93.49,49.49)
